# Allegro board SG2042_EVB_V1_1.brd (continued)
## Library data of the parts (continued)
C566 = C0402_10nF_50V
C567 C569 = CAP NP_5
C588 C593 C1668 C1671 C3166 C3169 = SC0402_0p1uF_16V
C589 C1669 C3167 = SC0402_4p7uF_6p3V
C597 C605 C1670 C1672 C3168 C3170 = SC0402_1uF_25V
C1182 C1264 C1265 C1270 C1271 C1276 C1281 C1312 C1320 C1321 C1329 C1330 C1335 C1375 C1376 C1380-C1382 C1389 C1395 C1396 C1507 C1508 C1524 C1525 C1578 C1579 C3230 C3318-C3320 = CAP_POL
C3121 C3247 C3248 C3263 C3304-C3306 C3311-C3313 = CT_5
D1-D25 D42-D44 D521-D523 D528-D530 = DIODE BI_DIR TRIG_0
D520 = LED
D532 = DIODE_SCHOTTKY
F400 F408-F410 = FUSE
FB1-FB3 FB5-FB7 FB9-FB11 FB2015 = L_FB_0
FB4 FB12-FB20 FB1110 FB1111 FB2014 FB2017-FB2022 = FB
FB8 FB1106 FB2001 FB2016 = Ferrite
H1-H21 = HOLE_3
ID1-ID6 = ID
J1-J4 = DDR4_RDIMM_SOCKET
J7 J13 J14 J17 J2007 J2020 = HEADER 12X2
J8 = Conn_microSD_3
J9 = RJ45_3
J10-J12 = JTAG_2X10_1.54mm
J22 J1103 J2006 = USB2_2.0 Micro B
J201 J2014 = HEADER_4
J1104 J2018 J2019 = PCIE_X16_SLOT_1
J2005 = HEADER_6
J2008 = 4 HEADER_0
J2016 = w39040_0
J2017 = CON-2_54-4
J2021 = 4 HEADER_2
K1 K2 = KEY_0
L1 L4 L5 L7 L18 L21-L23 L26 = Inductor
L8-L17 L19 L20 = L_150nH_SIHC100875-R15K-R29
LED1 LED500 = LED_2PIN
Q403 Q2008-Q2010 = NMOS_3PIN
Q501 Q2002-Q2005 = 2N1069_1
R1-R18 R35 R37 R43 R44 R56 R58 R60 R69-R85 R95 R256 R286-R299 R304-R306 R308 R310 R312 R313 R315 R324 R326 R333 R335-R340 R342 R344 R348 R349 R353 R355 R357 R364-R366 R368-R373 R376-R379 R381-R390 R392-R439 R441 R443 R445 R447 R449 R450 R452 R457-R464 R466-R469 R476 R480-R482 R489-R496 R576 R621 R622 R624 R630 R631 R634-R655 R657-R669 R671 R672 R674-R677 R679 R680 R682-R686 R689 R693-R695 R701 R1142 R1144-R1146 R1183 R1305 R1306 R1310-R1313 R1315 R1332-R1335 R1348 R1350-R1357 R1360-R1364 R2021 R2023-R2025 R2037 R2054 R2056-R2060 R2068-R2088 R2091-R2094 R2097_NC R2098-R2101 R2103 R2104 R2106-R2108 R2111-R2114 R2174-R2178 R2183 R2186-R2189 R2198-R2200 R2235 R2236 R2238-R2244 R2249-R2253 R2299 R2300 R2303-R2305 R2307-R2316 R2323-R2325 R2331-R2338 R2340-R2344 R2346-R2350 R2371-R2385 R2393 R2394 R2398 R2418-R2424 R2436-R2443 R2445-R2447 R2449 R2451 R2452 R2454-R2467 R2490 R2491 R2493-R2495 = Resistor
R19-R24 R31-R34 R38-R42 R87-R90 R102 R104 R106-R117 R124 R139 R140 R143 R144 R146 R147 R149 R150 R152 R153 R155-R158 R161 R186 R196-R202 R208 R311 R470 R471 R483 R484 R1257 R1261 R1265 R1358 R1359 R1365 R1366 R2066 R2067 R2190-R2197 R2400-R2417 R2434 R2435 R2448 R2450 R2470-R2473 R2492 = R
R25-R30 R45 R48 R52 R55 R96-R101 R103 R105 R119-R123 R125-R137 R141 R142 R145 R148 R151 R154 R159 R160 R162-R172 R174-R185 R187 R188 R190 R191 R193 R194 R203-R207 R209-R244 R246-R250 R252-R255 R257 R258 R272 R276-R278 R307 R334 R341 R354 R472-R475 R574 R577 R578 R580 R581 R588 R593-R595 R597-R600 R1143 R1220-R1235 R1251 R1253-R1256 R1258-R1260 R1262-R1264 R1266 R1349 R2115-R2118 R2127 R2179-R2182 R2184 R2185 R2203-R2209 R2211-R2234 R2247 R2248 R2254-R2261 R2272 R2274-R2282 R2301 R2302 R2306 R2363 R2366 R2368-R2370 R2386-R2389 R2399 R2426-R2433 R2468 R2469 R2474 R2480 R2481 R2488 R2489 = R_10K
R36 R46 R47 R49-R51 R53 R54 R1246-R1250 R1252 = R_10K: signal model: R_10K_R0402_22_22
R61-R63 R65-R68 R173 R189 R266-R271 R274 R275 R280-R285 R1214-R1219 R1267 R1268 = Resistor: signal model: RESISTOR_R0402_22_22
R91-R94 = R_4
R118 R138 R192 R195 R245 R251 = R_0
R262 R1141 R2065 = SR0402_10K_+/-1%
SW1-SW5 = SW DIP-6/SM
SW201 = SW KEY-SPST
T1 = XFMR-H5007-NS_0
T2-T8 T40-T42 T45 TP30-TP34 = TP30
T9-T39 T43 T44 T46-T52 T54-T71 T73-T76 TP7 TP8 TP17 = TP60
T53 = TP60_TP30_T_VDD_PLL_0V8
T72 TP1-TP3 TP5 TP6 TP12-TP16 TP18 TP19 = TP40
U1 = SG2042-0822
U2 = THGBMFG8C4LBAIR
U3 U4 U6 U20 U24 U26 U27 U30 U45 U48 U50 U51 U57 U59 U61-U64 U815 U2004 U2005 = TP199A2T
U5 U13 = TPS22908
U7 = RTL8211FD-CG
U10 U811-U813 U2013 U2014 = M25P128VME6TPB_Numonyx_1
U11 U2012 = TMP461AIRUNR_0
U12 U14 U806 U807 U814 U2003 U2006 U2010 U2011 = TXS0108E
U15 U805 U2002 = CP2102
U17 = LMK00338
U19 U25 U28 U31 U808 U816 = MP1653
U34-U36 U38-U44 U54 U55 = MP86956GMJ-Z
U37 U53 = MP2973GQK-XXXX-Z_0
U47 U56 = SQ24335DBD
U49 U58 U60 = SQ29020VDC
U2001 = DS1307
U2009 = GD32E503VCT6
X1-X4 = SMA-025000-3XY4T4
Y1 = 7V25000053
Y2 = Crystal_0
Y2000 = XTAL_25MHz_0

## Footprints (pads in the part's own frame, mm; a bottom-side part is the same pattern mirrored in y, then rotated)
A2542WV-02P
  rect 1.7x1.7 hole 1.2: 1(1.27,-0.3)
  round 1.7 hole 1.2: 2(-1.27,-0.3)
BAT-SMD1220
  round 1.321 hole 1.321 unplated: (-3.5,0) (4,0)
  rect 4.064x2.591 smd: 1(8.484,0) 2(-7.76,0)
BGA4-20-0202
  round 0.25 smd: A1(-0.25,-0.25) A2(-0.25,0.25) B1(0.25,-0.25) B2(0.25,0.25)
BGA3044-100-5757
  round 0.45 smd: A1(-27.5,27.5) A2(-26.5,27.5) A3(-25.5,27.5) A4(-24.5,27.5) A5(-23.5,27.5) A6(-22.5,27.5) A7(-21.5,27.5) A8(-20.5,27.5) A9(-19.5,27.5) A10(-18.5,27.5) A11(-17.5,27.5) A12(-16.5,27.5) A13(-15.5,27.5) A14(-14.5,27.5) A15(-13.5,27.5) A16(-12.5,27.5) A17(-11.5,27.5) A18(-10.5,27.5) A19(-9.5,27.5) A20(-8.5,27.5) A21(-7.5,27.5) A22(-6.5,27.5) A23(-5.5,27.5) A24(-4.5,27.5) A25(-3.5,27.5) A26(-2.5,27.5) A27(-1.5,27.5) A28(-0.5,27.5) A29(0.5,27.5) A30(1.5,27.5) A31(2.5,27.5) A32(3.5,27.5) A33(4.5,27.5) A34(5.5,27.5) A35(6.5,27.5) A36(7.5,27.5) A37(8.5,27.5) A38(9.5,27.5) A39(10.5,27.5) A40(11.5,27.5) A41(12.5,27.5) A42(13.5,27.5) A43(14.5,27.5) A44(15.5,27.5) A45(16.5,27.5) A46(17.5,27.5) A47(18.5,27.5) A48(19.5,27.5) A49(20.5,27.5) A50(21.5,27.5) A51(22.5,27.5) A52(23.5,27.5) A53(24.5,27.5) A54(25.5,27.5) A55(26.5,27.5) A56(27.5,27.5) AA1(-27.5,7.5) AA2(-26.5,7.5) AA3(-25.5,7.5) AA4(-24.5,7.5) AA5(-23.5,7.5) AA6(-22.5,7.5) AA7(-21.5,7.5) AA8(-20.5,7.5) AA9(-19.5,7.5) AA10(-18.5,7.5) AA11(-17.5,7.5) AA12(-16.5,7.5) AA13(-15.5,7.5) AA14(-14.5,7.5) AA15(-13.5,7.5) AA16(-12.5,7.5) AA18(-10.5,7.5) AA19(-9.5,7.5) AA20(-8.5,7.5) AA21(-7.5,7.5) AA22(-6.5,7.5) AA23(-5.5,7.5) AA24(-4.5,7.5) AA25(-3.5,7.5) AA26(-2.5,7.5) AA27(-1.5,7.5) AA28(-0.5,7.5) AA29(0.5,7.5) AA30(1.5,7.5) AA31(2.5,7.5) AA32(3.5,7.5) AA33(4.5,7.5) AA34(5.5,7.5) AA35(6.5,7.5) AA36(7.5,7.5) AA37(8.5,7.5) AA38(9.5,7.5) AA39(10.5,7.5) AA41(12.5,7.5) AA42(13.5,7.5) AA43(14.5,7.5) AA44(15.5,7.5) AA45(16.5,7.5) AA46(17.5,7.5) AA47(18.5,7.5) AA48(19.5,7.5) AA49(20.5,7.5) AA50(21.5,7.5) AA51(22.5,7.5) AA52(23.5,7.5) AA53(24.5,7.5) AA54(25.5,7.5) AA55(26.5,7.5) AA56(27.5,7.5) AB1(-27.5,6.5) AB2(-26.5,6.5) AB3(-25.5,6.5) AB4(-24.5,6.5) AB5(-23.5,6.5) AB6(-22.5,6.5) AB7(-21.5,6.5) AB8(-20.5,6.5) AB9(-19.5,6.5) AB10(-18.5,6.5) AB11(-17.5,6.5) AB12(-16.5,6.5) AB13(-15.5,6.5) AB14(-14.5,6.5) AB15(-13.5,6.5) AB16(-12.5,6.5) AB18(-10.5,6.5) AB19(-9.5,6.5) AB20(-8.5,6.5) AB21(-7.5,6.5) AB22(-6.5,6.5) AB23(-5.5,6.5) AB24(-4.5,6.5) AB25(-3.5,6.5) AB26(-2.5,6.5) AB27(-1.5,6.5) AB28(-0.5,6.5) AB29(0.5,6.5) AB30(1.5,6.5) AB31(2.5,6.5) AB32(3.5,6.5) AB33(4.5,6.5) AB34(5.5,6.5) AB35(6.5,6.5) AB36(7.5,6.5) AB37(8.5,6.5) AB38(9.5,6.5) AB39(10.5,6.5) AB41(12.5,6.5) AB42(13.5,6.5) AB43(14.5,6.5) AB44(15.5,6.5) AB45(16.5,6.5) AB46(17.5,6.5) AB47(18.5,6.5) AB48(19.5,6.5) AB49(20.5,6.5) AB50(21.5,6.5) AB51(22.5,6.5) AB52(23.5,6.5) AB53(24.5,6.5) AB54(25.5,6.5) AB55(26.5,6.5) AB56(27.5,6.5) AC1(-27.5,5.5) AC2(-26.5,5.5) AC3(-25.5,5.5) AC4(-24.5,5.5) AC5(-23.5,5.5) AC6(-22.5,5.5) AC7(-21.5,5.5) AC8(-20.5,5.5) AC9(-19.5,5.5) AC10(-18.5,5.5) AC11(-17.5,5.5) AC12(-16.5,5.5) AC13(-15.5,5.5) AC14(-14.5,5.5) AC15(-13.5,5.5) AC16(-12.5,5.5) AC18(-10.5,5.5) AC19(-9.5,5.5) AC20(-8.5,5.5) AC21(-7.5,5.5) AC22(-6.5,5.5) AC23(-5.5,5.5) AC24(-4.5,5.5) AC25(-3.5,5.5) AC26(-2.5,5.5) AC27(-1.5,5.5) AC28(-0.5,5.5) AC29(0.5,5.5) AC30(1.5,5.5) AC31(2.5,5.5) AC32(3.5,5.5) AC33(4.5,5.5) AC34(5.5,5.5) AC35(6.5,5.5) AC36(7.5,5.5) AC37(8.5,5.5) AC38(9.5,5.5) AC39(10.5,5.5) AC41(12.5,5.5) AC42(13.5,5.5) AC43(14.5,5.5) AC44(15.5,5.5) AC45(16.5,5.5) AC46(17.5,5.5) AC47(18.5,5.5) AC48(19.5,5.5) AC49(20.5,5.5) AC50(21.5,5.5) AC51(22.5,5.5) AC52(23.5,5.5) AC53(24.5,5.5) AC54(25.5,5.5) AC55(26.5,5.5) AC56(27.5,5.5) AD1(-27.5,4.5) AD2(-26.5,4.5) AD3(-25.5,4.5) AD4(-24.5,4.5) AD5(-23.5,4.5) AD6(-22.5,4.5) AD7(-21.5,4.5) AD8(-20.5,4.5) AD9(-19.5,4.5) AD10(-18.5,4.5) AD11(-17.5,4.5) AD12(-16.5,4.5) AD13(-15.5,4.5) AD14(-14.5,4.5) AD15(-13.5,4.5) AD16(-12.5,4.5) AD18(-10.5,4.5) AD19(-9.5,4.5) AD20(-8.5,4.5) AD21(-7.5,4.5) AD22(-6.5,4.5) AD23(-5.5,4.5) AD24(-4.5,4.5) AD25(-3.5,4.5) AD26(-2.5,4.5) AD27(-1.5,4.5) AD28(-0.5,4.5) AD29(0.5,4.5) AD30(1.5,4.5) AD31(2.5,4.5) AD32(3.5,4.5) AD33(4.5,4.5) AD34(5.5,4.5) AD35(6.5,4.5) AD36(7.5,4.5) AD37(8.5,4.5) AD38(9.5,4.5) AD39(10.5,4.5) AD41(12.5,4.5) AD42(13.5,4.5) AD43(14.5,4.5) AD44(15.5,4.5) AD45(16.5,4.5) AD46(17.5,4.5) AD47(18.5,4.5) AD48(19.5,4.5) AD49(20.5,4.5) AD50(21.5,4.5) AD51(22.5,4.5) AD52(23.5,4.5) AD53(24.5,4.5) AD54(25.5,4.5) AD55(26.5,4.5) AD56(27.5,4.5) AE1(-27.5,3.5) AE2(-26.5,3.5) AE3(-25.5,3.5) AE4(-24.5,3.5) AE5(-23.5,3.5) AE6(-22.5,3.5) AE7(-21.5,3.5) AE8(-20.5,3.5) AE9(-19.5,3.5) AE10(-18.5,3.5) AE11(-17.5,3.5) AE12(-16.5,3.5) AE13(-15.5,3.5) AE14(-14.5,3.5) AE15(-13.5,3.5) AE16(-12.5,3.5) AE18(-10.5,3.5) AE19(-9.5,3.5) AE20(-8.5,3.5) AE21(-7.5,3.5) AE22(-6.5,3.5) AE23(-5.5,3.5) AE24(-4.5,3.5) AE25(-3.5,3.5) AE26(-2.5,3.5) AE27(-1.5,3.5) AE28(-0.5,3.5) AE29(0.5,3.5) AE30(1.5,3.5) AE31(2.5,3.5) AE32(3.5,3.5) AE33(4.5,3.5) AE34(5.5,3.5) AE35(6.5,3.5) AE36(7.5,3.5) AE37(8.5,3.5) AE38(9.5,3.5) AE39(10.5,3.5) AE41(12.5,3.5) AE42(13.5,3.5) AE43(14.5,3.5) AE44(15.5,3.5) AE45(16.5,3.5) AE46(17.5,3.5) AE47(18.5,3.5) AE48(19.5,3.5) AE49(20.5,3.5) AE50(21.5,3.5) AE51(22.5,3.5) AE52(23.5,3.5) AE53(24.5,3.5) AE54(25.5,3.5) AE55(26.5,3.5) AE56(27.5,3.5) AF1(-27.5,2.5) AF2(-26.5,2.5) AF3(-25.5,2.5) AF4(-24.5,2.5) AF5(-23.5,2.5) AF6(-22.5,2.5) AF7(-21.5,2.5) AF8(-20.5,2.5) AF9(-19.5,2.5) AF10(-18.5,2.5) AF11(-17.5,2.5) AF12(-16.5,2.5) AF13(-15.5,2.5) AF14(-14.5,2.5) AF15(-13.5,2.5) AF16(-12.5,2.5) AF18(-10.5,2.5) AF19(-9.5,2.5) AF20(-8.5,2.5) AF21(-7.5,2.5) AF22(-6.5,2.5) AF23(-5.5,2.5) AF24(-4.5,2.5) AF25(-3.5,2.5) AF26(-2.5,2.5) AF27(-1.5,2.5) AF28(-0.5,2.5) AF29(0.5,2.5) AF30(1.5,2.5) AF31(2.5,2.5) AF32(3.5,2.5) AF33(4.5,2.5) AF34(5.5,2.5) AF35(6.5,2.5) AF36(7.5,2.5) AF37(8.5,2.5) AF38(9.5,2.5) AF39(10.5,2.5) AF41(12.5,2.5) AF42(13.5,2.5) AF43(14.5,2.5) AF44(15.5,2.5) AF45(16.5,2.5) AF46(17.5,2.5) AF47(18.5,2.5) AF48(19.5,2.5) AF49(20.5,2.5) AF50(21.5,2.5) AF51(22.5,2.5) AF52(23.5,2.5) AF53(24.5,2.5) AF54(25.5,2.5) AF55(26.5,2.5) AF56(27.5,2.5) AG1(-27.5,1.5) AG2(-26.5,1.5) AG3(-25.5,1.5) AG4(-24.5,1.5) AG5(-23.5,1.5) AG6(-22.5,1.5) AG7(-21.5,1.5) AG8(-20.5,1.5) AG9(-19.5,1.5) AG10(-18.5,1.5) AG11(-17.5,1.5) AG12(-16.5,1.5) AG13(-15.5,1.5) AG14(-14.5,1.5) AG15(-13.5,1.5) AG16(-12.5,1.5) AG18(-10.5,1.5) AG19(-9.5,1.5) AG20(-8.5,1.5) AG21(-7.5,1.5) AG22(-6.5,1.5) AG23(-5.5,1.5) AG24(-4.5,1.5) AG25(-3.5,1.5) AG26(-2.5,1.5) AG27(-1.5,1.5) AG28(-0.5,1.5) AG29(0.5,1.5) AG30(1.5,1.5) AG31(2.5,1.5) AG32(3.5,1.5) AG33(4.5,1.5) AG34(5.5,1.5) AG35(6.5,1.5) AG36(7.5,1.5) AG37(8.5,1.5) AG38(9.5,1.5) AG39(10.5,1.5) AG41(12.5,1.5) AG42(13.5,1.5) AG43(14.5,1.5) AG44(15.5,1.5) AG45(16.5,1.5) AG46(17.5,1.5) AG47(18.5,1.5) AG48(19.5,1.5) AG49(20.5,1.5) AG50(21.5,1.5) AG51(22.5,1.5) AG52(23.5,1.5) AG53(24.5,1.5) AG54(25.5,1.5) AG55(26.5,1.5) AG56(27.5,1.5) AH1(-27.5,0.5) AH2(-26.5,0.5) AH3(-25.5,0.5) AH4(-24.5,0.5) AH5(-23.5,0.5) AH6(-22.5,0.5) AH7(-21.5,0.5) AH8(-20.5,0.5) AH9(-19.5,0.5) AH10(-18.5,0.5) AH11(-17.5,0.5) AH12(-16.5,0.5) AH13(-15.5,0.5) AH14(-14.5,0.5) AH15(-13.5,0.5) AH16(-12.5,0.5) AH18(-10.5,0.5) AH19(-9.5,0.5) AH20(-8.5,0.5) AH21(-7.5,0.5) AH22(-6.5,0.5) AH23(-5.5,0.5) AH24(-4.5,0.5) AH25(-3.5,0.5) AH26(-2.5,0.5) AH27(-1.5,0.5) AH28(-0.5,0.5) AH29(0.5,0.5) AH30(1.5,0.5) AH31(2.5,0.5) AH32(3.5,0.5) AH33(4.5,0.5) AH34(5.5,0.5) AH35(6.5,0.5) AH36(7.5,0.5) AH37(8.5,0.5) AH38(9.5,0.5) AH39(10.5,0.5) AH41(12.5,0.5) AH42(13.5,0.5) AH43(14.5,0.5) AH44(15.5,0.5) AH45(16.5,0.5) AH46(17.5,0.5) AH47(18.5,0.5) AH48(19.5,0.5) AH49(20.5,0.5) AH50(21.5,0.5) AH51(22.5,0.5) AH52(23.5,0.5) AH53(24.5,0.5) AH54(25.5,0.5) AH55(26.5,0.5) AH56(27.5,0.5) AJ1(-27.5,-0.5) AJ2(-26.5,-0.5) AJ3(-25.5,-0.5) AJ4(-24.5,-0.5) AJ5(-23.5,-0.5) AJ6(-22.5,-0.5) AJ7(-21.5,-0.5) AJ8(-20.5,-0.5) AJ9(-19.5,-0.5) AJ10(-18.5,-0.5) AJ11(-17.5,-0.5) AJ12(-16.5,-0.5) AJ13(-15.5,-0.5) AJ14(-14.5,-0.5) AJ15(-13.5,-0.5) AJ16(-12.5,-0.5) AJ18(-10.5,-0.5) AJ19(-9.5,-0.5) AJ20(-8.5,-0.5) AJ21(-7.5,-0.5) AJ22(-6.5,-0.5) AJ23(-5.5,-0.5) AJ24(-4.5,-0.5) AJ25(-3.5,-0.5) AJ26(-2.5,-0.5) AJ27(-1.5,-0.5) AJ28(-0.5,-0.5) AJ29(0.5,-0.5) AJ30(1.5,-0.5) AJ31(2.5,-0.5) AJ32(3.5,-0.5) AJ33(4.5,-0.5) AJ34(5.5,-0.5) AJ35(6.5,-0.5) AJ36(7.5,-0.5) AJ37(8.5,-0.5) AJ38(9.5,-0.5) AJ39(10.5,-0.5) AJ41(12.5,-0.5) AJ42(13.5,-0.5) AJ43(14.5,-0.5) AJ44(15.5,-0.5) AJ45(16.5,-0.5) AJ46(17.5,-0.5) AJ47(18.5,-0.5) AJ48(19.5,-0.5) AJ49(20.5,-0.5) AJ50(21.5,-0.5) AJ51(22.5,-0.5) AJ52(23.5,-0.5) AJ53(24.5,-0.5) AJ54(25.5,-0.5) AJ55(26.5,-0.5) AJ56(27.5,-0.5) AK1(-27.5,-1.5) AK2(-26.5,-1.5) AK3(-25.5,-1.5) AK4(-24.5,-1.5) AK5(-23.5,-1.5) AK6(-22.5,-1.5) AK7(-21.5,-1.5) AK8(-20.5,-1.5) AK9(-19.5,-1.5) AK10(-18.5,-1.5) AK11(-17.5,-1.5) AK12(-16.5,-1.5) AK13(-15.5,-1.5) AK14(-14.5,-1.5) AK15(-13.5,-1.5) AK16(-12.5,-1.5) AK18(-10.5,-1.5) AK19(-9.5,-1.5) AK20(-8.5,-1.5) AK21(-7.5,-1.5) AK22(-6.5,-1.5) AK23(-5.5,-1.5) AK24(-4.5,-1.5) AK25(-3.5,-1.5) AK26(-2.5,-1.5) AK27(-1.5,-1.5) AK28(-0.5,-1.5) AK29(0.5,-1.5) AK30(1.5,-1.5) AK31(2.5,-1.5) AK32(3.5,-1.5) AK33(4.5,-1.5) AK34(5.5,-1.5) AK35(6.5,-1.5) AK36(7.5,-1.5) AK37(8.5,-1.5) AK38(9.5,-1.5) AK39(10.5,-1.5) AK41(12.5,-1.5) AK42(13.5,-1.5) AK43(14.5,-1.5) AK44(15.5,-1.5) AK45(16.5,-1.5) AK46(17.5,-1.5) AK47(18.5,-1.5) AK48(19.5,-1.5) AK49(20.5,-1.5) AK50(21.5,-1.5) AK51(22.5,-1.5) AK52(23.5,-1.5) AK53(24.5,-1.5) AK54(25.5,-1.5) AK55(26.5,-1.5) AK56(27.5,-1.5) AL1(-27.5,-2.5) AL2(-26.5,-2.5) AL3(-25.5,-2.5) AL4(-24.5,-2.5) AL5(-23.5,-2.5) AL6(-22.5,-2.5) AL7(-21.5,-2.5) AL8(-20.5,-2.5) AL9(-19.5,-2.5) AL10(-18.5,-2.5) AL11(-17.5,-2.5) AL12(-16.5,-2.5) AL13(-15.5,-2.5) AL14(-14.5,-2.5) AL15(-13.5,-2.5) AL16(-12.5,-2.5) AL18(-10.5,-2.5) AL19(-9.5,-2.5) AL20(-8.5,-2.5) AL21(-7.5,-2.5) AL22(-6.5,-2.5) AL23(-5.5,-2.5) AL24(-4.5,-2.5) AL25(-3.5,-2.5) AL26(-2.5,-2.5) AL27(-1.5,-2.5) AL28(-0.5,-2.5) AL29(0.5,-2.5) AL30(1.5,-2.5) AL31(2.5,-2.5) AL32(3.5,-2.5) AL33(4.5,-2.5) AL34(5.5,-2.5) AL35(6.5,-2.5) AL36(7.5,-2.5) AL37(8.5,-2.5) AL38(9.5,-2.5) AL39(10.5,-2.5) AL41(12.5,-2.5) AL42(13.5,-2.5) AL43(14.5,-2.5) AL44(15.5,-2.5) AL45(16.5,-2.5) AL46(17.5,-2.5) AL47(18.5,-2.5) AL48(19.5,-2.5) AL49(20.5,-2.5) AL50(21.5,-2.5) AL51(22.5,-2.5) AL52(23.5,-2.5) AL53(24.5,-2.5) AL54(25.5,-2.5) AL55(26.5,-2.5) AL56(27.5,-2.5) AM1(-27.5,-3.5) AM2(-26.5,-3.5) AM3(-25.5,-3.5) AM4(-24.5,-3.5) AM5(-23.5,-3.5) AM6(-22.5,-3.5) AM7(-21.5,-3.5) AM8(-20.5,-3.5) AM9(-19.5,-3.5) AM10(-18.5,-3.5) AM11(-17.5,-3.5) AM12(-16.5,-3.5) AM13(-15.5,-3.5) AM14(-14.5,-3.5) AM15(-13.5,-3.5) AM16(-12.5,-3.5) AM18(-10.5,-3.5) AM19(-9.5,-3.5) AM20(-8.5,-3.5) AM21(-7.5,-3.5) AM22(-6.5,-3.5) AM23(-5.5,-3.5) AM24(-4.5,-3.5) AM25(-3.5,-3.5) AM26(-2.5,-3.5) AM27(-1.5,-3.5) AM28(-0.5,-3.5) AM29(0.5,-3.5) AM30(1.5,-3.5) AM31(2.5,-3.5) AM32(3.5,-3.5) AM33(4.5,-3.5) AM34(5.5,-3.5) AM35(6.5,-3.5) AM36(7.5,-3.5) AM37(8.5,-3.5) AM38(9.5,-3.5) AM39(10.5,-3.5) AM41(12.5,-3.5) AM42(13.5,-3.5) AM43(14.5,-3.5) AM44(15.5,-3.5) AM45(16.5,-3.5) AM46(17.5,-3.5) AM47(18.5,-3.5) AM48(19.5,-3.5) AM49(20.5,-3.5) AM50(21.5,-3.5) AM51(22.5,-3.5) AM52(23.5,-3.5) AM53(24.5,-3.5) AM54(25.5,-3.5) AM55(26.5,-3.5) AM56(27.5,-3.5) AN1(-27.5,-4.5) AN2(-26.5,-4.5) AN3(-25.5,-4.5) AN4(-24.5,-4.5) AN5(-23.5,-4.5) AN6(-22.5,-4.5) AN7(-21.5,-4.5) AN8(-20.5,-4.5) AN9(-19.5,-4.5) AN10(-18.5,-4.5) AN11(-17.5,-4.5) AN12(-16.5,-4.5) AN13(-15.5,-4.5) AN14(-14.5,-4.5) AN15(-13.5,-4.5) AN16(-12.5,-4.5) AN18(-10.5,-4.5) AN19(-9.5,-4.5) AN20(-8.5,-4.5) AN21(-7.5,-4.5) AN22(-6.5,-4.5) AN23(-5.5,-4.5) AN24(-4.5,-4.5) AN25(-3.5,-4.5) AN26(-2.5,-4.5) AN27(-1.5,-4.5) AN28(-0.5,-4.5) AN29(0.5,-4.5) AN30(1.5,-4.5) AN31(2.5,-4.5) AN32(3.5,-4.5) AN33(4.5,-4.5) AN34(5.5,-4.5) AN35(6.5,-4.5) AN36(7.5,-4.5) AN37(8.5,-4.5) AN38(9.5,-4.5) AN39(10.5,-4.5) AN41(12.5,-4.5) AN42(13.5,-4.5) AN43(14.5,-4.5) AN44(15.5,-4.5) AN45(16.5,-4.5) AN46(17.5,-4.5) AN47(18.5,-4.5) AN48(19.5,-4.5) AN49(20.5,-4.5) AN50(21.5,-4.5) AN51(22.5,-4.5) AN52(23.5,-4.5) AN53(24.5,-4.5) AN54(25.5,-4.5) AN55(26.5,-4.5) AN56(27.5,-4.5) AP1(-27.5,-5.5) AP2(-26.5,-5.5) AP3(-25.5,-5.5) AP4(-24.5,-5.5) AP5(-23.5,-5.5) AP6(-22.5,-5.5) AP7(-21.5,-5.5) AP8(-20.5,-5.5) AP9(-19.5,-5.5) AP10(-18.5,-5.5) AP11(-17.5,-5.5) AP12(-16.5,-5.5) AP13(-15.5,-5.5) AP14(-14.5,-5.5) AP15(-13.5,-5.5) AP16(-12.5,-5.5) AP18(-10.5,-5.5) AP19(-9.5,-5.5) AP20(-8.5,-5.5) AP21(-7.5,-5.5) AP22(-6.5,-5.5) AP23(-5.5,-5.5) AP24(-4.5,-5.5) AP25(-3.5,-5.5) AP26(-2.5,-5.5) AP27(-1.5,-5.5) AP28(-0.5,-5.5) AP29(0.5,-5.5) AP30(1.5,-5.5) AP31(2.5,-5.5) AP32(3.5,-5.5) AP33(4.5,-5.5) AP34(5.5,-5.5) AP35(6.5,-5.5) AP36(7.5,-5.5) AP37(8.5,-5.5) AP38(9.5,-5.5) AP39(10.5,-5.5) AP41(12.5,-5.5) AP42(13.5,-5.5) AP43(14.5,-5.5) AP44(15.5,-5.5) AP45(16.5,-5.5) AP46(17.5,-5.5) AP47(18.5,-5.5) AP48(19.5,-5.5) AP49(20.5,-5.5) AP50(21.5,-5.5) AP51(22.5,-5.5) AP52(23.5,-5.5) AP53(24.5,-5.5) AP54(25.5,-5.5) AP55(26.5,-5.5) AP56(27.5,-5.5) AR1(-27.5,-6.5) AR2(-26.5,-6.5) AR3(-25.5,-6.5) AR4(-24.5,-6.5) AR5(-23.5,-6.5) AR6(-22.5,-6.5) AR7(-21.5,-6.5) AR8(-20.5,-6.5) AR9(-19.5,-6.5) AR10(-18.5,-6.5) AR11(-17.5,-6.5) AR12(-16.5,-6.5) AR13(-15.5,-6.5) AR14(-14.5,-6.5) AR15(-13.5,-6.5) AR16(-12.5,-6.5) AR18(-10.5,-6.5) AR19(-9.5,-6.5) AR20(-8.5,-6.5) AR21(-7.5,-6.5) AR22(-6.5,-6.5) AR23(-5.5,-6.5) AR24(-4.5,-6.5) AR25(-3.5,-6.5) AR26(-2.5,-6.5) AR27(-1.5,-6.5) AR28(-0.5,-6.5) AR29(0.5,-6.5) AR30(1.5,-6.5) AR31(2.5,-6.5) AR32(3.5,-6.5) AR33(4.5,-6.5) AR34(5.5,-6.5) AR35(6.5,-6.5) AR36(7.5,-6.5) AR37(8.5,-6.5) AR38(9.5,-6.5) AR39(10.5,-6.5) AR41(12.5,-6.5) AR42(13.5,-6.5) AR43(14.5,-6.5) AR44(15.5,-6.5) AR45(16.5,-6.5) AR46(17.5,-6.5) AR47(18.5,-6.5) AR48(19.5,-6.5) AR49(20.5,-6.5) AR50(21.5,-6.5) AR51(22.5,-6.5) AR52(23.5,-6.5) AR53(24.5,-6.5) AR54(25.5,-6.5) AR55(26.5,-6.5) AR56(27.5,-6.5) AT1(-27.5,-7.5) AT2(-26.5,-7.5) AT3(-25.5,-7.5) AT4(-24.5,-7.5) AT5(-23.5,-7.5) AT6(-22.5,-7.5) AT7(-21.5,-7.5) AT8(-20.5,-7.5) AT9(-19.5,-7.5) AT10(-18.5,-7.5) AT11(-17.5,-7.5) AT12(-16.5,-7.5) AT13(-15.5,-7.5) AT14(-14.5,-7.5) AT15(-13.5,-7.5) AT16(-12.5,-7.5) AT18(-10.5,-7.5) AT19(-9.5,-7.5) AT20(-8.5,-7.5) AT21(-7.5,-7.5) AT22(-6.5,-7.5) AT23(-5.5,-7.5) AT24(-4.5,-7.5) AT25(-3.5,-7.5) AT26(-2.5,-7.5) AT27(-1.5,-7.5) AT28(-0.5,-7.5) AT29(0.5,-7.5) AT30(1.5,-7.5) AT31(2.5,-7.5) AT32(3.5,-7.5) AT33(4.5,-7.5) AT34(5.5,-7.5) AT35(6.5,-7.5) AT36(7.5,-7.5) AT37(8.5,-7.5) AT38(9.5,-7.5) AT39(10.5,-7.5) AT41(12.5,-7.5) AT42(13.5,-7.5) AT43(14.5,-7.5) AT44(15.5,-7.5) AT45(16.5,-7.5) AT46(17.5,-7.5) AT47(18.5,-7.5) AT48(19.5,-7.5) AT49(20.5,-7.5) AT50(21.5,-7.5) AT51(22.5,-7.5) AT52(23.5,-7.5) AT53(24.5,-7.5) AT54(25.5,-7.5) AT55(26.5,-7.5) AT56(27.5,-7.5) AU1(-27.5,-8.5) AU2(-26.5,-8.5) AU3(-25.5,-8.5) AU4(-24.5,-8.5) AU5(-23.5,-8.5) AU6(-22.5,-8.5) AU7(-21.5,-8.5) AU8(-20.5,-8.5) AU9(-19.5,-8.5) AU10(-18.5,-8.5) AU11(-17.5,-8.5) AU12(-16.5,-8.5) AU13(-15.5,-8.5) AU14(-14.5,-8.5) AU15(-13.5,-8.5) AU16(-12.5,-8.5) AU18(-10.5,-8.5) AU19(-9.5,-8.5) AU20(-8.5,-8.5) AU21(-7.5,-8.5) AU22(-6.5,-8.5) AU23(-5.5,-8.5) AU24(-4.5,-8.5) AU25(-3.5,-8.5) AU26(-2.5,-8.5) AU27(-1.5,-8.5) AU28(-0.5,-8.5) AU29(0.5,-8.5) AU30(1.5,-8.5) AU31(2.5,-8.5) AU32(3.5,-8.5) AU33(4.5,-8.5) AU34(5.5,-8.5) AU35(6.5,-8.5) AU36(7.5,-8.5) AU37(8.5,-8.5) AU38(9.5,-8.5) AU39(10.5,-8.5) AU41(12.5,-8.5) AU42(13.5,-8.5) AU43(14.5,-8.5) AU44(15.5,-8.5) AU45(16.5,-8.5) AU46(17.5,-8.5) AU47(18.5,-8.5) AU48(19.5,-8.5) AU49(20.5,-8.5) AU50(21.5,-8.5) AU51(22.5,-8.5) AU52(23.5,-8.5) AU53(24.5,-8.5) AU54(25.5,-8.5) AU55(26.5,-8.5) AU56(27.5,-8.5) AV1(-27.5,-9.5) AV2(-26.5,-9.5) AV3(-25.5,-9.5) AV4(-24.5,-9.5) AV5(-23.5,-9.5) AV6(-22.5,-9.5) AV7(-21.5,-9.5) AV8(-20.5,-9.5) AV9(-19.5,-9.5) AV10(-18.5,-9.5) AV11(-17.5,-9.5) AV12(-16.5,-9.5) AV13(-15.5,-9.5) AV14(-14.5,-9.5) AV15(-13.5,-9.5) AV16(-12.5,-9.5) AV18(-10.5,-9.5) AV19(-9.5,-9.5) AV20(-8.5,-9.5) AV21(-7.5,-9.5) AV22(-6.5,-9.5) AV23(-5.5,-9.5) AV24(-4.5,-9.5) AV25(-3.5,-9.5) AV26(-2.5,-9.5) AV27(-1.5,-9.5) AV28(-0.5,-9.5) AV29(0.5,-9.5) AV30(1.5,-9.5) AV31(2.5,-9.5) AV32(3.5,-9.5) AV33(4.5,-9.5) AV34(5.5,-9.5) AV35(6.5,-9.5) AV36(7.5,-9.5) AV37(8.5,-9.5) AV38(9.5,-9.5) AV39(10.5,-9.5) AV41(12.5,-9.5) AV42(13.5,-9.5) AV43(14.5,-9.5) AV44(15.5,-9.5) AV45(16.5,-9.5) AV46(17.5,-9.5) AV47(18.5,-9.5) AV48(19.5,-9.5) AV49(20.5,-9.5) AV50(21.5,-9.5) AV51(22.5,-9.5) AV52(23.5,-9.5) AV53(24.5,-9.5) AV54(25.5,-9.5) AV55(26.5,-9.5) AV56(27.5,-9.5) AW1(-27.5,-10.5) AW2(-26.5,-10.5) AW3(-25.5,-10.5) AW4(-24.5,-10.5) AW5(-23.5,-10.5) AW6(-22.5,-10.5) AW7(-21.5,-10.5) AW8(-20.5,-10.5) AW9(-19.5,-10.5) AW10(-18.5,-10.5) AW11(-17.5,-10.5) AW12(-16.5,-10.5) AW13(-15.5,-10.5) AW14(-14.5,-10.5) AW15(-13.5,-10.5) AW16(-12.5,-10.5) AW18(-10.5,-10.5) AW19(-9.5,-10.5) AW20(-8.5,-10.5) AW21(-7.5,-10.5) AW22(-6.5,-10.5) AW23(-5.5,-10.5) AW24(-4.5,-10.5) AW25(-3.5,-10.5) AW26(-2.5,-10.5) AW27(-1.5,-10.5) AW28(-0.5,-10.5) AW29(0.5,-10.5) AW30(1.5,-10.5) AW31(2.5,-10.5) AW32(3.5,-10.5) AW33(4.5,-10.5) AW34(5.5,-10.5) AW35(6.5,-10.5) AW36(7.5,-10.5) AW37(8.5,-10.5) AW38(9.5,-10.5) AW39(10.5,-10.5) AW41(12.5,-10.5) AW42(13.5,-10.5) AW43(14.5,-10.5) AW44(15.5,-10.5) AW45(16.5,-10.5) AW46(17.5,-10.5) AW47(18.5,-10.5) AW48(19.5,-10.5) AW49(20.5,-10.5) AW50(21.5,-10.5) AW51(22.5,-10.5) AW52(23.5,-10.5) AW53(24.5,-10.5) AW54(25.5,-10.5) AW55(26.5,-10.5) AW56(27.5,-10.5) AY1(-27.5,-11.5) AY2(-26.5,-11.5) AY3(-25.5,-11.5) AY4(-24.5,-11.5) AY5(-23.5,-11.5) AY6(-22.5,-11.5) AY7(-21.5,-11.5) AY8(-20.5,-11.5) AY9(-19.5,-11.5) AY10(-18.5,-11.5) AY11(-17.5,-11.5) AY12(-16.5,-11.5) AY13(-15.5,-11.5) AY14(-14.5,-11.5) AY15(-13.5,-11.5) AY16(-12.5,-11.5) AY41(12.5,-11.5) AY42(13.5,-11.5) AY43(14.5,-11.5) AY44(15.5,-11.5) AY45(16.5,-11.5) AY46(17.5,-11.5) AY47(18.5,-11.5) AY48(19.5,-11.5) AY49(20.5,-11.5) AY50(21.5,-11.5) AY51(22.5,-11.5) AY52(23.5,-11.5) AY53(24.5,-11.5) AY54(25.5,-11.5) AY55(26.5,-11.5) AY56(27.5,-11.5) B1(-27.5,26.5) B2(-26.5,26.5) B3(-25.5,26.5) B4(-24.5,26.5) B5(-23.5,26.5) B6(-22.5,26.5) B7(-21.5,26.5) B8(-20.5,26.5) B9(-19.5,26.5) B10(-18.5,26.5) B11(-17.5,26.5) B12(-16.5,26.5) B13(-15.5,26.5) B14(-14.5,26.5) B15(-13.5,26.5) B16(-12.5,26.5) B17(-11.5,26.5) B18(-10.5,26.5) B19(-9.5,26.5) B20(-8.5,26.5) B21(-7.5,26.5) B22(-6.5,26.5) B23(-5.5,26.5) B24(-4.5,26.5) B25(-3.5,26.5) B26(-2.5,26.5) B27(-1.5,26.5) B28(-0.5,26.5) B29(0.5,26.5) B30(1.5,26.5) B31(2.5,26.5) B32(3.5,26.5) B33(4.5,26.5) B34(5.5,26.5) B35(6.5,26.5) B36(7.5,26.5) B37(8.5,26.5) B38(9.5,26.5) B39(10.5,26.5) B40(11.5,26.5) B41(12.5,26.5) B42(13.5,26.5) B43(14.5,26.5) B44(15.5,26.5) B45(16.5,26.5) B46(17.5,26.5) B47(18.5,26.5) B48(19.5,26.5) B49(20.5,26.5) B50(21.5,26.5) B51(22.5,26.5) B52(23.5,26.5) B53(24.5,26.5) B54(25.5,26.5) B55(26.5,26.5) B56(27.5,26.5) BA1(-27.5,-12.5) BA2(-26.5,-12.5) BA3(-25.5,-12.5) BA4(-24.5,-12.5) BA5(-23.5,-12.5) BA6(-22.5,-12.5) BA7(-21.5,-12.5) BA8(-20.5,-12.5) BA9(-19.5,-12.5) BA10(-18.5,-12.5) BA11(-17.5,-12.5) BA12(-16.5,-12.5) BA13(-15.5,-12.5) BA14(-14.5,-12.5) BA15(-13.5,-12.5) BA16(-12.5,-12.5) BA17(-11.5,-12.5) BA18(-10.5,-12.5) BA19(-9.5,-12.5) BA20(-8.5,-12.5) BA21(-7.5,-12.5) BA22(-6.5,-12.5) BA23(-5.5,-12.5) BA24(-4.5,-12.5) BA25(-3.5,-12.5) BA26(-2.5,-12.5) BA27(-1.5,-12.5) BA28(-0.5,-12.5) BA29(0.5,-12.5) BA30(1.5,-12.5) BA31(2.5,-12.5) BA32(3.5,-12.5) BA33(4.5,-12.5) BA34(5.5,-12.5) BA35(6.5,-12.5) BA36(7.5,-12.5) BA37(8.5,-12.5) BA38(9.5,-12.5) BA39(10.5,-12.5) BA40(11.5,-12.5) BA41(12.5,-12.5) BA42(13.5,-12.5) BA43(14.5,-12.5) BA44(15.5,-12.5) BA45(16.5,-12.5) BA46(17.5,-12.5) BA47(18.5,-12.5) BA48(19.5,-12.5) BA49(20.5,-12.5) BA50(21.5,-12.5) BA51(22.5,-12.5) BA52(23.5,-12.5) BA53(24.5,-12.5) BA54(25.5,-12.5) BA55(26.5,-12.5) BA56(27.5,-12.5) BB1(-27.5,-13.5) BB2(-26.5,-13.5) BB3(-25.5,-13.5) BB4(-24.5,-13.5) BB5(-23.5,-13.5) BB6(-22.5,-13.5) BB7(-21.5,-13.5) BB8(-20.5,-13.5) BB9(-19.5,-13.5) BB10(-18.5,-13.5) BB11(-17.5,-13.5) BB12(-16.5,-13.5) BB13(-15.5,-13.5) BB14(-14.5,-13.5) BB15(-13.5,-13.5) BB16(-12.5,-13.5) BB17(-11.5,-13.5) BB18(-10.5,-13.5) BB19(-9.5,-13.5) BB20(-8.5,-13.5) BB21(-7.5,-13.5) BB22(-6.5,-13.5) BB23(-5.5,-13.5) BB24(-4.5,-13.5) BB25(-3.5,-13.5) BB26(-2.5,-13.5) BB27(-1.5,-13.5) BB28(-0.5,-13.5) BB29(0.5,-13.5) BB30(1.5,-13.5) BB31(2.5,-13.5) BB32(3.5,-13.5) BB33(4.5,-13.5) BB34(5.5,-13.5) BB35(6.5,-13.5) BB36(7.5,-13.5) BB37(8.5,-13.5) BB38(9.5,-13.5) BB39(10.5,-13.5) BB40(11.5,-13.5) BB41(12.5,-13.5) BB42(13.5,-13.5) BB43(14.5,-13.5) BB44(15.5,-13.5) BB45(16.5,-13.5) BB46(17.5,-13.5) BB47(18.5,-13.5) BB48(19.5,-13.5) 